# Altium PCB Main.PcbDoc (part 1 of 3) (continued)
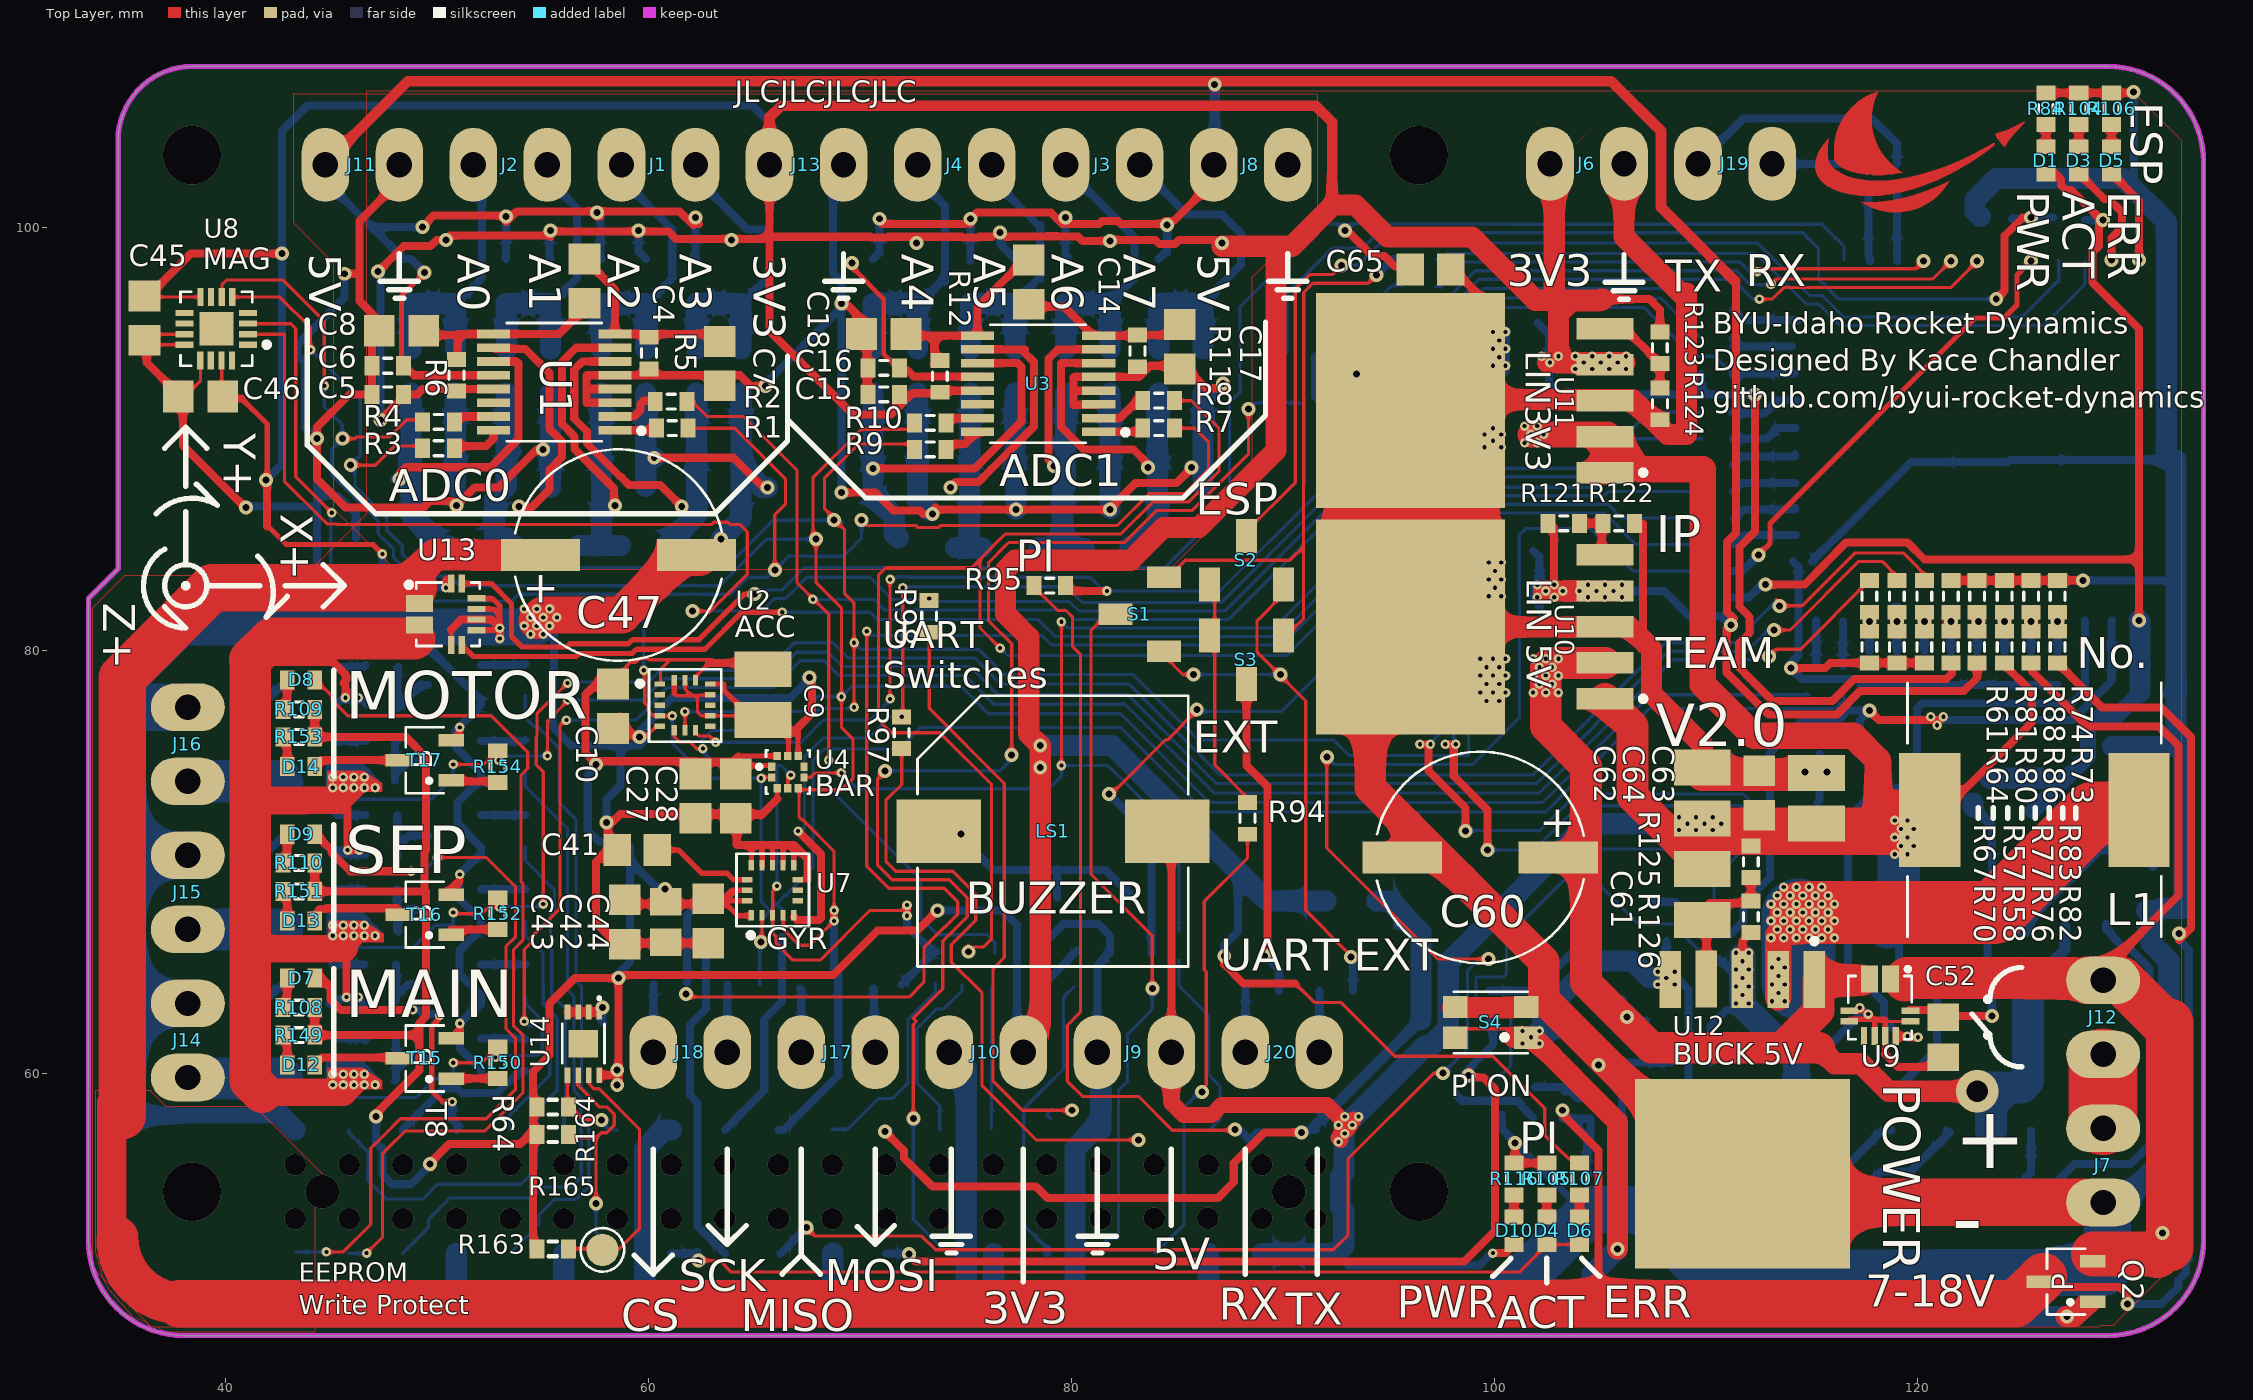
[diagram p0: Top Layer view]
## Components (designator, comment, footprint, x,y, rotation, side; value= is the part's Value field where it differs from the comment) (continued)
J18 "Screw Terminal" "SCREW TERMINAL" 60.2,61 r270 top locked (schematic designator J5)
J19 "Screw Terminal" "SCREW TERMINAL" 113.1,103 r90 top locked (schematic designator J6)
J20 "Screw Terminal" "SCREW TERMINAL" 88.2,61 r270 top locked (schematic designator J6)
JP1 "Res3" "0603 TO 1210 SMD" 93.15,68.15 r180 bottom locked value=1K
L1 "7447709330" INDUCTOR 125.5,72.45 r180 top locked
LS1 "CT-1205C-SMT" CUI_CT-1205C-SMT 79.1,71.45 r180 top locked
Q1 "P-Channel" "P Channel MOSFET" 127.9,68.05 r90 bottom locked (schematic designator Q5)
Q2 "P-Channel" "P Channel MOSFET" 127,50.15 r180 top locked (schematic designator Q3)
Q3 "N-Channel" "N Channel MOSFET" 109.25,59.25 r270 bottom locked (schematic designator Q4)
Q4 "P-Channel" "P Channel MOSFET" 44,60.7 r180 bottom locked (schematic designator Q1)
Q5 "P-Channel" "P Channel MOSFET" 44,64.2 r180 bottom locked (schematic designator Q2)
Q6 "P-Channel" "P Channel MOSFET" 44,67.75 r180 bottom locked (schematic designator Q1)
Q7 "P-Channel" "P Channel MOSFET" 44,71.25 r180 bottom locked (schematic designator Q2)
Q8 "P-Channel" "P Channel MOSFET" 43.995,74.75 r180 bottom locked (schematic designator Q1)
Q9 "P-Channel" "P Channel MOSFET" 44,78.35 r180 bottom locked (schematic designator Q2)
R1 "Res3" ? 61.1,90.5 r180 top locked value=1K
R2 "Res3" ? 61.05,91.75 r180 top locked value=1K
R3 "Res3" ? 50.05,89.55 r0 top locked value=1K
R4 "Res3" ? 50.05,90.8 r0 top locked value=1K
R5 "Res3" ? 60,94.05 r270 top locked value=1K
R6 "Res3" ? 50.9,93 r270 top locked value=1K
R7 "Res3" ? 84.1,90.5 r180 top value=1K (schematic designator R1)
R8 "Res3" ? 84.1,91.8 r180 top value=1K (schematic designator R2)
R9 "Res3" ? 73.3,89.5 r0 top value=1K (schematic designator R3)
R10 "Res3" ? 73.3,90.75 r0 top value=1K (schematic designator R4)
R11 "Res3" ? 83.1,94.15 r270 top value=1K (schematic designator R5)
R12 "Res3" ? 73.75,92.95 r270 top value=1K (schematic designator R6)
R13 "Res3" "0603 TO 0805 SMD" 70.6,97.45 r270 bottom locked value="Value depends on use case" (schematic designator R51)
R14 "Res3" "0603 TO 0805 SMD" 72.7,97.45 r270 bottom locked value="Value depends on use case" (schematic designator R52)
R15 "Res3" "0603 TO 0805 SMD" 70.6,93.2 r90 bottom locked value="Value depends on use case" (schematic designator R53)
R16 "Res3" "0603 TO 0805 SMD" 71.65,87.7 r0 bottom locked value="Value depends on use case" (schematic designator R54)
R17 "Res3" "0603 TO 0805 SMD" 72.7,93.2 r270 bottom locked value="Value depends on use case" (schematic designator R55)
R18 "Res3" "0603 TO 0805 SMD" 48.75,97.45 r270 bottom locked value="Value depends on use case" (schematic designator R51)
R19 "Res3" "0603 TO 0805 SMD" 50.85,97.45 r270 bottom locked value="Value depends on use case" (schematic designator R52)
R20 "Res3" "0603 TO 0805 SMD" 48.75,93.2 r90 bottom locked value="Value depends on use case" (schematic designator R53)
R21 "Res3" "0603 TO 0805 SMD" 49.8,87.75 r0 bottom locked value="Value depends on use case" (schematic designator R54)
R22 "Res3" "0603 TO 0805 SMD" 50.85,93.2 r270 bottom locked value="Value depends on use case" (schematic designator R55)
R23 "Res3" "0603 TO 0805 SMD" 75.2,97.45 r270 bottom locked value="Value depends on use case" (schematic designator R51)
R24 "Res3" "0603 TO 0805 SMD" 77.3,97.45 r270 bottom locked value="Value depends on use case" (schematic designator R52)
R25 "Res3" "0603 TO 0805 SMD" 75.2,93.2 r90 bottom locked value="Value depends on use case" (schematic designator R53)
R26 "Res3" "0603 TO 0805 SMD" 76.25,87.8 r0 bottom locked value="Value depends on use case" (schematic designator R54)
R27 "Res3" "0603 TO 0805 SMD" 77.3,93.2 r270 bottom locked value="Value depends on use case" (schematic designator R55)
R28 "Res3" "0603 TO 0805 SMD" 53.25,97.45 r270 bottom locked value="Value depends on use case" (schematic designator R51)
R29 "Res3" "0603 TO 0805 SMD" 55.35,97.45 r270 bottom locked value="Value depends on use case" (schematic designator R52)
R30 "Res3" "0603 TO 0805 SMD" 53.25,93.2 r90 bottom locked value="Value depends on use case" (schematic designator R53)
R31 "Res3" "0603 TO 0805 SMD" 54.3,87.75 r0 bottom locked value="Value depends on use case" (schematic designator R54)
R32 "Res3" "0603 TO 0805 SMD" 55.35,93.2 r270 bottom locked value="Value depends on use case" (schematic designator R55)
R33 "Res3" "0603 TO 0805 SMD" 79.7,97.45 r270 bottom locked value="Value depends on use case" (schematic designator R51)
R34 "Res3" "0603 TO 0805 SMD" 81.8,97.45 r270 bottom locked value="Value depends on use case" (schematic designator R52)
R35 "Res3" "0603 TO 0805 SMD" 79.7,93.2 r90 bottom locked value="Value depends on use case" (schematic designator R53)
R36 "Res3" "0603 TO 0805 SMD" 80.75,87.8 r0 bottom locked value="Value depends on use case" (schematic designator R54)
R37 "Res3" "0603 TO 0805 SMD" 81.8,93.2 r270 bottom locked value="Value depends on use case" (schematic designator R55)
R38 "Res3" "0603 TO 0805 SMD" 57.75,97.45 r270 bottom locked value="Value depends on use case" (schematic designator R51)
R39 "Res3" "0603 TO 0805 SMD" 59.85,97.45 r270 bottom locked value="Value depends on use case" (schematic designator R52)
R40 "Res3" "0603 TO 0805 SMD" 57.75,93.2 r90 bottom locked value="Value depends on use case" (schematic designator R53)
R41 "Res3" "0603 TO 0805 SMD" 58.8,87.75 r0 bottom locked value="Value depends on use case" (schematic designator R54)
R42 "Res3" "0603 TO 0805 SMD" 59.85,93.2 r270 bottom locked value="Value depends on use case" (schematic designator R55)
R43 "Res3" "0603 TO 0805 SMD" 84.1,97.45 r270 bottom locked value="Value depends on use case" (schematic designator R51)
R44 "Res3" "0603 TO 0805 SMD" 86.2,97.45 r270 bottom locked value="Value depends on use case" (schematic designator R52)
R45 "Res3" "0603 TO 0805 SMD" 84.1,93.2 r90 bottom locked value="Value depends on use case" (schematic designator R53)
R46 "Res3" "0603 TO 0805 SMD" 85.15,87.8 r0 bottom locked value="Value depends on use case" (schematic designator R54)
R47 "Res3" "0603 TO 0805 SMD" 86.2,93.2 r270 bottom locked value="Value depends on use case" (schematic designator R55)
R48 "Res3" "0603 TO 0805 SMD" 62.25,97.45 r270 bottom locked value="Value depends on use case" (schematic designator R51)
R49 "Res3" "0603 TO 0805 SMD" 64.35,97.45 r270 bottom locked value="Value depends on use case" (schematic designator R52)
R50 "Res3" "0603 TO 0805 SMD" 62.25,93.2 r90 bottom locked value="Value depends on use case" (schematic designator R53)
R51 "Res3" "0603 TO 0805 SMD" 63.3,87.75 r0 bottom locked value="Value depends on use case" (schematic designator R54)
R52 "Res3" "0603 TO 0805 SMD" 64.35,93.2 r270 bottom locked value="Value depends on use case" (schematic designator R55)
R53 "Res3" ? 79.35,64 r180 bottom locked value=1K (schematic designator R15)
R54 "Res3" ? 110.5,88.75 r180 bottom locked value=1K (schematic designator R16)
R55 "Res3" ? 127.05,100.45 r180 bottom locked value=1K (schematic designator R17)
R56 "Res3" ? 91.45,91.7 r180 bottom locked value=1K (schematic designator R18)
R57 "Res3" ? 120.3,82.55 r90 top locked value=1K (schematic designator R19)
R58 "Res3" ? 120.3,80.15 r90 top locked value=1K (schematic designator R20)
R59 "Res3" ? 110.5,96.2 r0 bottom locked value=1K (schematic designator R21)
R60 "Res3" ? 96.4,97.25 r0 bottom locked value=1K (schematic designator R22)
R61 "Res3" ? 119,82.55 r90 top locked value=1K (schematic designator R23)
R62 "Res3" ? 115.2,78.65 r90 bottom locked value=1K (schematic designator R24)
R63 "Res3" ? 110.5,85 r0 bottom locked value=1K (schematic designator R25)
R64 "Res3" ? 119,80.15 r90 top locked value=1K (schematic designator R26)
R65 "Res3" ? 116.45,78.65 r90 bottom locked value=1K (schematic designator R27)
R66 "Res3" ? 110.5,94.75 r0 bottom locked value=1K (schematic designator R28)
R67 "Res3" ? 117.7,82.55 r90 top locked value=1K (schematic designator R29)
R68 "Res3" ? 129.9,79.55 r180 bottom locked value=1K (schematic designator R30)
R69 "Res3" ? 96.4,96 r0 bottom locked value=1K (schematic designator R31)
R70 "Res3" ? 117.7,80.15 r90 top locked value=1K (schematic designator R32)
R71 "Res3" ? 96.4,94.75 r0 bottom locked value=1K (schematic designator R33)
R72 "Res3" ? 99.9,63.15 r90 bottom locked value=1K (schematic designator R34)
R73 "Res3" ? 126.6,80.15 r270 top locked value=1K (schematic designator R35)
R74 "Res3" ? 126.6,82.55 r270 top locked value=1K (schematic designator R36)
R75 "Res3" ? 96.4,98.5 r180 bottom locked value=1K (schematic designator R37)
R76 "Res3" ? 122.8,80.15 r270 top locked value=1K (schematic designator R38)
R77 "Res3" ? 122.8,82.55 r270 top locked value=1K (schematic designator R39)
R78 "Res3" ? 110.5,90 r180 bottom locked value=1K (schematic designator R40)
R79 "Res3" ? 110.5,91.25 r180 bottom locked value=1K (schematic designator R41)
R80 "Res3" ? 121.55,80.15 r270 top locked value=1K (schematic designator R42)
R81 "Res3" ? 121.55,82.55 r270 top locked value=1K (schematic designator R43)
R82 "Res3" ? 125.35,80.15 r270 top locked value=1K (schematic designator R44)
R83 "Res3" ? 125.35,82.55 r270 top locked value=1K (schematic designator R45)
R84 "Res3" ? 126.05,105.6 r270 top locked value=1K (schematic designator R46)
R85 "Res3" J1-0603 110.5,82.5 r180 bottom locked value=1K (schematic designator R47)
R86 "Res3" ? 124.1,80.15 r270 top locked value=1K (schematic designator R48)
R87 "Res3" ? 110.5,83.75 r180 bottom locked value=1K (schematic designator R49)
R88 "Res3" ? 124.1,82.55 r270 top locked value=1K (schematic designator R50)
R89 "Res3" "0603 to 0805 SMD" 125.4,54.25 r270 bottom locked value=1K (schematic designator R74)
R90 "Res3" "0603 TO 0805 SMD" 125.35,58.35 r270 bottom locked value=1K (schematic designator R75)
R91 "Res3" "0603 TO 0805 SMD" 122.4,57.3 r0 bottom locked value=1K (schematic designator R76)
R92 "Res3" "0603 TO 0805 SMD" 118.7,54.3 r270 bottom locked value=1K (schematic designator R77)
R93 "Res3" "0603 TO 0805 SMD" 118.75,58.35 r270 bottom locked value=1K (schematic designator R78)
R94 "Res3" ? 88.3,72.05 r270 top locked value=1K (schematic designator R87)
R95 "Res3" ? 78.95,83.05 r0 top locked value=1K (schematic designator R88)
R96 "Res3" ? 85.05,66 r90 bottom locked value=1K (schematic designator R89)
R97 "Res3" ? 71.95,76.1 r90 top locked value=1K (schematic designator R90)
R98 "Res3" ? 73.25,81.6 r90 top locked value=1K (schematic designator R91)
R99 "Res3" ? 76.3,65 r90 bottom locked value=1K (schematic designator R92)
R100 "Res3" ? 74.85,65 r90 bottom locked value=1K (schematic designator R93)
R101 "Res3" ? 73.6,65 r90 bottom locked value=1K (schematic designator R94)
R102 "Res3" ? 66.3,67.25 r90 bottom locked value=1K (schematic designator R95)
R103 "Res3" ? 62.7,67.2 r270 bottom locked value=1K (schematic designator R96)
R104 "Res3" ? 127.6,105.6 r270 top locked value=1K (schematic designator R7)
R105 "Res3" ? 102.45,55 r270 top locked value=1K (schematic designator R7)
R106 "Res3" ? 129.15,105.6 r270 top locked value=1K (schematic designator R7)
R107 "Res3" ? 104,55 r90 top locked value=1K (schematic designator R80)
R108 "Res3" ? 43.45,63.1 r0 top value=1K (schematic designator R80)
R109 "Res3" ? 43.45,77.2 r0 top locked value=1K (schematic designator R80)
R110 "Res3" ? 43.45,69.95 r0 top locked value=1K (schematic designator R80)
R111 "Res3" "0603 FOOTPRINT" 130.05,51.25 r0 bottom locked value=1K (schematic designator R58)
R112 "Res3" "0603 FOOTPRINT" 105.2,55.35 r0 bottom locked value=1K (schematic designator R59)
R113 "Res3" "0603 FOOTPRINT" 102.85,58.9 r270 bottom locked value=1K (schematic designator R60)
R114 "Res3" "0603 FOOTPRINT" 105.2,64 r0 bottom locked value=1K (schematic designator R61)
R115 "Res3" "0603 FOOTPRINT" 105.75,49.65 r0 bottom locked value=10 (schematic designator R62)
R116 "Res3" "0603 FOOTPRINT" 100.9,55 r270 top locked value=1K (schematic designator R63)
R117 "Res3" "0603 FOOTPRINT" 110.5,87.5 r0 bottom locked value=1K (schematic designator R64)
R118 "Res3" "0603 FOOTPRINT" 105.7,58.8 r0 bottom locked value=1K (schematic designator R65)
R119 "Res3" "0603 FOOTPRINT" 101.55,58.95 r90 bottom locked value=1K (schematic designator R66)
R120 "Res3" "0603 FOOTPRINT" 110.5,86.25 r180 bottom locked value=1K (schematic designator R67)
R121 "Res3" ? 103.25,86 r180 top locked value=1K (schematic designator R81)
R122 "Res3" ? 105.85,86 r180 top locked value=1K (schematic designator R82)
R123 "Res3" ? 107.8,94.3 r90 top locked value=1K (schematic designator R83)
R124 "Res3" ? 107.8,91.65 r90 top locked value=1K (schematic designator R84)
R125 "Res3" ? 112.1,70 r270 top locked value=1K (schematic designator R85)
R126 "Res3" ? 112.1,67.4 r270 top locked value=1K (schematic designator R86)
R127 "Res3" ? 110.5,93.05 r180 bottom locked value=1K (schematic designator R79)
R128 "Res3" ? 47.3,61.65 r180 bottom locked value=10 (schematic designator R8)
R129 "Res3" ? 40.75,61.55 r270 bottom locked value=1K (schematic designator R9)
R130 "Res3" ? 47.3,59.75 r0 bottom locked value=1K (schematic designator R10)
R131 "Res3" ? 54.15,60.85 r90 bottom locked value=1K (schematic designator R11)
R132 "Res3" ? 47.3,65.15 r180 bottom locked value=1K (schematic designator R12)
R133 "Res3" ? 47.3,63.25 r0 bottom locked value=1K (schematic designator R13)
R134 "Res3" ? 54.15,64.4 r90 bottom locked value=1K (schematic designator R14)
R135 "Res3" ? 47.35,68.7 r180 bottom locked value=10 (schematic designator R8)
R136 "Res3" ? 40.75,68.6 r270 bottom locked value=1K (schematic designator R9)
R137 "Res3" ? 47.3,66.75 r0 bottom locked value=1K (schematic designator R10)
R138 "Res3" ? 54.15,67.95 r90 bottom locked value=1K (schematic designator R11)
R139 "Res3" ? 47.35,72.2 r180 bottom locked value=1K (schematic designator R12)
R140 "Res3" ? 47.35,70.35 r0 bottom locked value=1K (schematic designator R13)
R141 "Res3" ? 54.15,71.45 r90 bottom locked value=1K (schematic designator R14)
R142 "Res3" ? 47.35,75.7 r180 bottom locked value=10 (schematic designator R8)
R143 "Res3" ? 40.75,75.7 r270 bottom locked value=1K (schematic designator R9)
R144 "Res3" ? 47.35,73.8 r0 bottom locked value=1K (schematic designator R10)
R145 "Res3" ? 54.15,75 r90 bottom locked value=1K (schematic designator R11)
R146 "Res3" ? 47.35,79.3 r180 bottom locked value=1K (schematic designator R12)
R147 "Res3" ? 47.35,77.4 r0 bottom locked value=1K (schematic designator R13)
R148 "Res3" ? 54.15,78.6 r90 bottom locked value=1K (schematic designator R14)
R149 "Res3" ? 43.45,61.8 r0 top locked value=1K (schematic designator R56)
R150 "Res3" ? 52.85,60.5 r270 top locked value=1K (schematic designator R57)
R151 "Res3" ? 43.45,68.6 r0 top locked value=1K (schematic designator R56)
R152 "Res3" ? 52.85,67.55 r270 top locked value=1K (schematic designator R57)
R153 "Res3" ? 43.45,75.9 r0 top locked value=1K (schematic designator R56)
R154 "Res3" ? 52.85,74.5 r270 top locked value=1K (schematic designator R57)
R155 "Res3" "0603 FOOTPRINT" 71.2,64.2 r180 bottom locked value=1K (schematic designator R68)
R156 "Res3" "0603 FOOTPRINT" 68,64.2 r180 bottom locked value=1K (schematic designator R69)
R157 "Res3" "0603 FOOTPRINT" 64.5,64.2 r180 bottom locked value=1K (schematic designator R70)
R158 "Res3" "0603 FOOTPRINT" 61,64.2 r180 bottom locked value=1K (schematic designator R71)
R159 "Res3" "0603 FOOTPRINT" 119,102.2 r90 bottom locked value=0-40 (schematic designator R72)
R160 "Res3" "0603 FOOTPRINT" 117.65,102.2 r90 bottom locked value=0-40 (schematic designator R73)
R161 "Res3" "0603 FOOTPRINT" 92.49,63.9 r180 bottom locked value=0-40 (schematic designator R72)
R162 "Res3" "0603 FOOTPRINT" 88.99,63.9 r180 bottom locked value=0-40 (schematic designator R73)
R163 "Res3" "0603 Footprint" 55.45,51.7 r180 top locked value=1K (schematic designator R97)
R164 "Res3" "0603 Footprint" 55.45,58.4 r180 top locked value=3.9K (schematic designator R98)
R165 "Res3" "0603 Footprint" 55.45,57.1 r180 top locked value=3.9K (schematic designator R99)
S1 "Slide Switch" "CJS Micro switch" 82.55,79.95 r90 top locked
S2 "Slide Switch" "CJS Micro switch" 86.5,84.9 r0 top locked
S3 "Slide Switch" "CJS Micro switch" 90,78.9 r180 top locked
S4 "434153017835" *434153017835 99.8,62.4 r180 top locked
T1 "MMBT2222ALT1" BJT 79.3,67.05 r90 bottom locked (schematic designator T3)
T2 "MMBT2222ALT1" BJT 82.75,67.055 r90 bottom locked (schematic designator T4)
T3 "MMBT2222ALT1" BJT 91.35,94.05 r180 bottom locked (schematic designator T5)
T4 "MMBT2222ALT1" BJT 105.9,68.25 r0 bottom locked (schematic designator T6)
T5 "MMBT2222ALT1" BJT 122.4,54.2 r0 bottom locked (schematic designator T10)
T6 "MMBT2222ALT1" BJT 115.655,54.05 r0 bottom locked (schematic designator T11)
T7 "MMBT2222ALT1" BJT 109.1,66.3 r180 bottom locked (schematic designator T8)
T8 "MMBT2222ALT1" BJT 98.85,58.95 r180 bottom locked (schematic designator T9)
T9 "MMBT2222ALT1" BJT 50.805,60.7 r180 bottom locked (schematic designator T1)
T10 "MMBT2222ALT1" BJT 50.805,64.2 r180 bottom locked (schematic designator T2)
T11 "MMBT2222ALT1" BJT 50.795,67.75 r180 bottom locked (schematic designator T1)
T12 "MMBT2222ALT1" BJT 50.795,71.25 r180 bottom locked (schematic designator T2)
T13 "MMBT2222ALT1" BJT 50.75,74.8 r180 bottom locked (schematic designator T1)
T14 "MMBT2222ALT1" BJT 50.795,78.35 r180 bottom locked (schematic designator T2)
T15 "MMBT2222ALT1" BJT 49.405,60.7 r180 top locked (schematic designator T7)
T16 "MMBT2222ALT1" BJT 49.4,67.5 r180 top locked (schematic designator T7)
T17 "MMBT2222ALT1" BJT 49.405,74.8 r180 top locked (schematic designator T7)
U1 "Analog to Digital Converter" SOP65P640X120-16N 55.52,92.675 r180 top locked (schematic designator U2)
U2 "LIS3DSHTR" L3GD20HTR 61.7,77.4 r0 top locked (schematic designator U1)
U3 "Analog to Digital Converter" SOP65P640X120-16N 78.4,92.6 r180 top locked (schematic designator U2)
U4 "BMP388" PQFN50P200X200X80-10N 66.565,74.24 r0 top locked (schematic designator U3)
U5 "3.3V Regulator" *DPAK229P990X238-4N 125.9,73.2 r270 bottom locked (schematic designator U6)
U6 "ESP32-WROOM-32D" *MODULE_ESP32-WROOM-32D 126.44,89.9 r90 bottom locked (schematic designator U7)
U7 "L3GD20H" L3GD20HTR 65.84,68.65 r90 top locked (schematic designator U4)
U8 "MLX90393" QFN-16_WITH_AXIES 39.55,95.2 r270 top locked (schematic designator U5)
U9 "ACS70331EESATR-005B3" *XDCR_ACS70331EESATR-005B3 118.2,63.1 r270 top locked (schematic designator U8)
U10 "Linear Regulator" *TO170P1435X465-6N 96.152,81.1 r90 top locked
U11 "Linear Regulator" *TO170P1435X465-6N 96.152,91.8 r90 top locked
U12 "LM2596SX-ADJ/NOPB" *TO170P1435X465-6N 111.7,55.4 r180 top locked
U13 "ACS711KEXLT-15AB-T" *SENSOR_ACS711KEXLT-15AB-T 50.5,81.7 r0 top locked (schematic designator U9)
U14 "CAT24C128" EEPROM 56.9,61.4 r270 top locked (schematic designator U13)

## Footprints (in the part's own frame and the unit in brackets; to place one, negate y for a bottom-side part, rotate by r counter-clockwise, add the part's x,y. Pads: shape width x height; smd on the part's side, far side on the other; paste and mask are expansions set on the pad)
"0402 footprint" [mm]
  rect 0.7x0.9 smd: 1(-0.65,0) 2(0.65,0)
  body extent -0.8,-0.35 0.8,0.35, height 0.25
"0603 FOOTPRINT" [mm]
  rect 0.7x0.9 smd: 1(-0.75,0) 2(0.75,0)
  silkscreen extent -0.2,-0.35 0.2,0.35, body extent -0.85,-0.48 0.85,0.48, height 0.9
"0603 Footprint" [mm]
  rect 0.7x0.9 smd: 1(-0.75,0) 2(0.75,0)
  silkscreen extent -0.2,-0.35 0.2,0.35, body extent -0.85,-0.48 0.85,0.48, height 0.9
"0603 TO 0805 SMD" [mm]
  rect 1.45x1.5 smd: 1(-1.05,0) 2(1.05,0)
  body extent -1.18,-0.6 1.19,0.6, height 0.25
"0603 to 0805 SMD" [mm]
  rect 1.45x1.5 smd: 1(-1.05,0) 2(1.05,0)
  body extent -1.18,-0.6 1.19,0.6, height 0.25
"0603 to 1210 SMD" [mm]
  rect 1.7x2.692 smd: 1(-1.2,0) 2(1.2,0)
  body extent -1.7,-1.05 1.7,1.1, height 1.27
"0603 TO 1210 SMD" [mm] "Chip Resistor, Body 1.6x0.8mm, IPC High Density"
  rect 1.7x2.692 smd: 1(-1.2,0) 2(1.2,0)
  body extent -1.7,-1.05 1.7,1.1, height 1.27
"0805 Footprint" [mm]
  rect 1.3x1.5 smd: 1(-0.95,0) 2(0.95,0)
  body extent -1.15,-0.6 1.15,0.6, height 1.27
*434153017835 [mm] "Pushbutton NO"
  rect 1.15x1.05 smd: 1(-1.675,0.725) 2(-1.675,-0.725) 3(1.675,0.725) 4(1.675,-0.725)
  silkscreen extent -1.75,-1.45 1.75,1.45
*DO-214AC [mm]
  rect 1.7x3.2 smd: 1(4.4,0) 2(-2.025,0)
  silkscreen extent -0.87,-1.3 3.25,1.3, body extent -2.36,-3.1 4.8,3.13, height 2.62
*DPAK229P990X238-4N [mm]
  rect 0.97x2.83 smd: 1(-2.29,-4.14) 3(2.29,-4.14)
  rect 5.63x6.09 smd: 2(0,2.51)
  silkscreen extent -1.47,-4.28 -1.23,-4.03
*MODULE_ESP32-WROOM-32D [mm]
  rect 2x0.9 smd: 1(-8.5,5.26) 2(-8.5,3.99) 3(-8.5,2.72) 4(-8.5,1.45) 5(-8.5,0.18) 6(-8.5,-1.09) 7(-8.5,-2.36) 8(-8.5,-3.63) 9(-8.5,-4.9) 10(-8.5,-6.17) 11(-8.5,-7.44) 12(-8.5,-8.71) 13(-8.5,-9.98) 14(-8.5,-11.25) 25(8.5,-11.25) 26(8.5,-9.98) 27(8.5,-8.71) 28(8.5,-7.44) 29(8.5,-6.17) 30(8.5,-4.9) 31(8.5,-3.63) 32(8.5,-2.36) 33(8.5,-1.09) 34(8.5,0.18) 35(8.5,1.45) 36(8.5,2.72) 37(8.5,3.99) 38(8.5,5.26)
  rect 0.9x2 smd: 15(-5.715,-12.25) 16(-4.445,-12.25) 17(-3.175,-12.25) 18(-1.905,-12.25) 19(-0.635,-12.25) 20(0.635,-12.25) 21(1.905,-12.25) 22(3.175,-12.25) 23(4.445,-12.25) 24(5.715,-12.25)
  rect 5x5 smd: 39(-1,-2.24)
  silkscreen extent -9,-12.75 9,6.35, body extent -8.95,-12.7 8.95,12.7, height 3.1
*SENSOR_ACS711KEXLT-15AB-T [mm]
  rect 1.27x0.8 smd: 1(-1.35,0.5) 3(-1.35,-0.5)
  rect 0.3x0.85 smd: 5(0.15,-1.45) 6(0.65,-1.45) 11(0.65,1.45) 12(0.15,1.45)
  rect 0.85x0.3 smd: 7(1.35,-0.75) 8(1.35,-0.25) 9(1.35,0.25) 10(1.35,0.75)
  silkscreen extent -1.95,-1.5 1.5,1.5, body extent -1.4,-1.4 1.4,1.4, height 1
*TO170P1435X465-6N [mil]
  rect 40x106 smd: 1(-134,-356) 2(-67,-356) 3(0,-356) 4(66.93,-356.3) 5(134,-356)
  rect 400x352 smd: 6(0,6)
  silkscreen extent -139,-432 -129,-422, body extent -319,-396 201,197, height 180
*XDCR_ACS70331EESATR-005B3 [mm]
  rect 1.27x0.8 smd: 1(-1.35,0.5) 3(-1.35,-0.5)
  rect 0.3x0.85 smd: 5(0.15,-1.45) 6(0.65,-1.45) 11(0.65,1.45) 12(0.15,1.45)
  rect 0.85x0.3 smd: 7(1.35,-0.75) 8(1.35,-0.25) 9(1.35,0.25) 10(1.35,0.75)
  silkscreen extent -1.92,-1.5 1.5,1.5, body extent -1.4,-1.4 1.4,1.4, height 1.27
BJT [mm]
  rect 1.21x0.59 smd: 1(-1.255,0.95) 2(-1.255,-0.95) 3(1.255,0)
  silkscreen extent -0.9,-1.56 0.9,1.56, body extent -0.9,-1.6 0.9,1.55, height 1
"CJS Micro switch" [mm] "DIP- style shrouded switch"
  rect 1x1.6 smd: 1(0,-1.8) 2(3.5,-1.8) 3(1.75,0.5)
  body extent -1.05,-1.94 5.85,0.64, height 2.5
CUI_CT-1205C-SMT [mm]
  rect 4x3 smd: 1(5.4,0) 2(-5.4,0)
  silkscreen extent -6.4,-6.4 6.4,6.4, body extent -6.45,-6.4 6.4,6.4, height 10
EEPROM [mm]
  rect 0.71x0.27 smd mask+0.12: 1(-1.495,0.75) 2(-1.495,0.25) 3(-1.495,-0.25) 4(-1.495,-0.75) 5(1.495,-0.75) 6(1.495,-0.25) 7(1.495,0.25) 8(1.495,0.75)
  rect 1.3x1.4 smd: 9(0,0)
  silkscreen extent -2.22,-1 0.92,1, body extent -1.51,-1 1.51,1.28, height 1.27
"ELECTROLYTIC CAP" [mm] "EEU-FC1H681"
  rect 3.75x1.5 smd: 1(-3.688,0) 2(3.688,0)
  silkscreen extent -4.88,-5 4.89,5, body extent -5,-5 5,5, height 10.5
INDUCTOR [mm]
  rect 2.9x5.4 smd: 1(-4.95,0) 2(4.95,0)
  silkscreen extent -6,-6 6,6, body extent -6,-6 6,6, height 10
J1-0603 [mm] "Chip Resistor, Body 1.6x0.8mm, IPC High Density"
  rect 0.7x0.9 smd: 1(-0.75,0) 2(0.75,0)
  silkscreen extent -0.2,-0.35 0.2,0.35, body extent -0.85,-0.48 0.85,0.48, height 0.9
L3GD20HTR [mm]
  rect 0.5x0.25 smd mask+0.125: 1(-1.19,1) 2(-1.19,0.5) 3(-1.19,0) 4(-1.19,-0.5) 5(-1.19,-1) 9(1.19,-1) 10(1.19,-0.5) 11(1.19,0) 12(1.19,0.5) 13(1.19,1)
  rect 0.25x0.5 smd mask+0.125: 6(-0.5,-1.19) 7(0,-1.19) 8(0.5,-1.19) 14(0.5,1.19) 15(0,1.19) 16(-0.5,1.19)
  silkscreen extent -2.25,-1.73 1.73,1.7, body extent -1.4,-1.4 1.4,1.4, height 1.27
"N Channel MOSFET" [mm]
  rect 1.21x0.59 smd: 1(-1.255,0.95) 2(-1.255,-0.95) 3(1.255,0)
  silkscreen extent -0.9,-1.56 0.9,1.56, body extent -0.9,-1.6 0.9,1.55, height 1
"P Channel MOSFET" [mm]
  rect 1.21x0.59 smd: 1(-1.255,0.95) 2(-1.255,-0.95) 3(1.255,0)
  silkscreen extent -0.9,-1.56 0.9,1.56, body extent -0.9,-1.6 0.9,1.55, height 1
PQFN50P200X200X80-10N [mm]
  rect 0.35x0.38 smd: 1(-0.765,0.25) 2(-0.765,-0.25) 3(-0.5,-0.765) 4(0,-0.765) 5(0.5,-0.765) 6(0.765,-0.25) 7(0.765,0.25) 8(0.5,0.765) 9(0,0.765) 10(-0.5,0.765)
  silkscreen extent -1.45,-1.03 1.03,1.03, body extent -0.95,-0.95 0.95,0.95, height 1.27
QFN-16_WITH_AXIES [mm]
  rect 0.3x0.85 smd: 1(0.754,1.498) 2(0.254,1.498) 3(-0.246,1.498) 4(-0.746,1.498) 9(-0.746,-1.506) 10(-0.246,-1.506) 11(0.254,-1.506) 12(0.754,-1.506)
  rect 0.85x0.3 smd: 5(-1.508,0.746) 6(-1.508,0.246) 7(-1.508,-0.254) 8(-1.508,-0.754) 13(1.496,-0.764) 14(1.496,-0.264) 15(1.496,0.236) 16(1.496,0.736)
  rect 1.6x1.6 smd mask+0.2: 17(0,0)
  silkscreen extent -1.75,-1.7 1.75,2.5, body extent -1.5,-1.5 1.5,1.5, height 1.27
"RPI THROUGH BOARD CONNECTOR" [mm]
  rect 1.02x1.78 smd: 1(53.13,-2.921) 2(53.13,2.921) 3(50.59,-2.921) 4(50.59,2.921) 5(48.05,-2.921) 6(48.05,2.921) 7(45.51,-2.921) 8(45.51,2.921) 9(42.97,-2.921) 10(42.97,2.921) 11(40.43,-2.921) 12(40.43,2.921) 13(37.89,-2.921) 14(37.89,2.921) 15(35.35,-2.921) 16(35.35,2.921) 17(32.81,-2.921) 18(32.81,2.921) 19(30.27,-2.921) 20(30.27,2.921) 21(27.73,-2.921) 22(27.73,2.921) 23(25.19,-2.921) 24(25.19,2.921) 25(22.65,-2.921) 26(22.65,2.921) 27(20.11,-2.921) 28(20.11,2.921) 29(17.57,-2.921) 30(17.57,2.921) 31(15.03,-2.921) 32(15.03,2.921) 33(12.49,-2.921) 34(12.49,2.921) 35(9.95,-2.921) 36(9.95,2.921) 37(7.41,-2.921) 38(7.41,2.921) 39(4.87,-2.921) 40(4.87,2.921)
  body extent 4,-2 54,2, height 3.55
"SCREW TERMINAL" [mm] "Non-Polarized"
  oval 3.5x2.25 hole 1.2: 1(0,3.5) 2(0,0)
  body extent -3.7,-1.75 4.62,5.25, height 7.02
SOP65P640X120-16N [mm]
  rect 1.57x0.41 smd mask+0.12: 1(-2.87,2.275) 2(-2.87,1.625) 3(-2.87,0.975) 4(-2.87,0.325) 5(-2.87,-0.325) 6(-2.87,-0.975) 7(-2.87,-1.625) 8(-2.87,-2.275) 9(2.87,-2.275) 10(2.87,-1.625) 11(2.87,-0.975) 12(2.87,-0.325) 13(2.87,0.325) 14(2.87,0.975) 15(2.87,1.625) 16(2.87,2.275)
  silkscreen extent -4.25,-2.79 2.25,2.79, body extent -2.2,-2.55 2.25,2.55, height 1.27
? [mm] "Chip Resistor, Body 1.6x0.8mm, IPC High Density"
  rect 0.7x0.9 smd: 1(-0.75,0) 2(0.75,0)
  silkscreen extent -0.2,-0.35 0.2,0.35, body extent -0.85,-0.48 0.85,0.48, height 0.9

## Part data
C1 C2 C3 C11 C12 C13 C19 C20 C21 C22 C23 C24 C25 C26 C30 C31 C32 C33 C34 C36 C37 C38 C39 C40 C47 C48 C49 C50 C51 C52 C53 C54 C55 C56 C57 C58 C59 C60 C61 C62 C63 C64 C65 C66: "Capacitor", LatestRevisionDate=17-Jul-2002, LatestRevisionNote="Re-released for DXP Platform.", PackageDescription="Radial Cap, Thru-Hole; 2 Leads; 0.3 in Pin Spacing", PackageReference=RAD-0.3, Published=8-Jun-2000, Publisher="Altium Limited"
C42 C43: "Near VDD"
C44: "Near VDD_IO"
D1 D3 D4 D5 D6 D7 D8 D9 D10: Supplier Part Number 1=754-2123-1-ND, Supplier 1=Digi-Key
D2 D11: Supplier Part Number 1=VSSC8L45-M3/9ATGICT-ND, Supplier 1=Digi-Key
D12 D13 D14: Supplier Part Number 1=754-2122-1-ND, Supplier 1=Digi-Key
J1 J2 J3 J4 J6 J7 J8 J9 J10 J11 J12 J13 J14 J15 J16 J17 J18 J19 J20: Supplier Part Number 1=A112762-ND, Supplier 1=Digi-Key
J5: Supplier Part Number 1=952-3218-ND, Supplier 1=Digi-Key
JP1 R1 R2 R3 R4 R5 R6 R7 R8 R9 R10 R11 R12 R13 R14 R15 R16 R17 R18 R19 R20 R21 R22 R23 R24 R25 R26 R27 R28 R29 R30 R31 R32 R33 R34 R35 R36 R37 R38 R39 R40 R41 R42 R43 R44 R45 R46 R47 R48 R49 R50 R51 R52 R53 R54 R55 R56 R57 R58 R59 R60 R61 R62 R63 R64 R65 R66 R67 R68 R69 R70 R71 R72 R73 R74 R75 R76 R77 R78 R79 R80 R81 R82 R83 R84 R85 R86 R87 R88 R89 R90 R91 R92 R93 R94 R95 R96 R97 R98 R99 R100 R101 R102 R103 R104 R105 R106 R107 R108 R109 R110 R111 R112 R113 R114 R115 R116 R117 R118 R119 R120 R121 R122 R123 R124 R125 R126 R127 R128 R129 R130 R131 R132 R133 R134 R135 R136 R137 R138 R139 R140 R141 R142 R143 R144 R145 R146 R147 R148 R149 R150 R151 R152 R153 R154 R155 R156 R157 R158 R159 R160 R161 R162 R163 R164 R165: "Resistor", LatestRevisionDate=29-May-2009, LatestRevisionNote="IPC-7351 Footprint Added.", PackageDescription="Chip Resistor", PackageReference=J1-0603, Published=8-Jun-2000, Publisher="Altium Limited"
L1: library part "Buck Inductor", "Inductor, SMD [Würth Elektronik] 7447709330 Inductor, SMD", Package="1210 Würth Elektronik", Supplier Part Number 1=732-1244-6-ND, Availability=Unavailable, MF="Wurth Electronics", MP=7447709330, Price=None, SnapEDA_Link=https://www.snapeda.com/parts/7447709330/Wurth%20Electronics%20Inc./view-part/?ref=snap, Supplier 1=Digi-Key
LS1: library part Buzzer, Package=CUI, Supplier Part Number 1=102-1200-1-ND, Availability=Unavailable, MF="CUI Inc.", MP=CT-1205C-SMT-TR, Price=None, SnapEDA_Link=https://www.snapeda.com/parts/CT-1205C-SMT-TR/CUI%20Inc./view-part/?ref=snap, Supplier 1=Digi-Key
Q1 Q2 Q4 Q5 Q6 Q7 Q8 Q9: Supplier Part Number 1=SI2343CDS-T1-GE3CT-ND, Supplier 1=Digi-Key
Q3: Supplier Part Number 1=SI2338DS-T1-GE3CT-ND, Supplier 1=Digi-Key
S1 S2 S3: library part "Screw Switch", Supplier Part Number 1=7813J-051ECT-ND, Supplier 1=Digi-Key
S4: library part "Pushbutton NO", "Switch Tactile Spst-No 0.05a 12v", Package=None, Supplier Part Number 1=732-10143-1-ND, Availability=Unavailable, MF="Wurth Electronics", MP=434153017835, Price=None, SnapEDA_Link=https://www.snapeda.com/parts/434153017835/Wurth%20Electronics%20Inc./view-part/?ref=snap, Supplier 1=Digi-Key
T1 T2 T3 T4 T5 T6 T7 T8 T9 T10 T11 T12 T13 T14 T15 T16 T17: library part "BJT NPN", "Trans NPN 40V 0.6A SOT23", Package="SOT-23 Motorola", Supplier Part Number 1=MMBT2222ATPMSCT-ND, Availability=Unavailable, MF="ON Semiconductor", MP=MMBT2222ALT1, Price=None, SnapEDA_Link=https://www.snapeda.com/parts/MMBT2222ALT1/ON%20Semiconductor/view-part/?ref=snap, Supplier 1=Digi-Key
U1 U3: "SOP65P640X120-16N", Supplier Part Number 1=296-39851-1-ND, MP=ADS1220IPWR, Supplier 1=Digi-Key
U2: "Accelerometer   / MEMS digital output motion sensor: ultra low-power high performance 3-axes nano accelerometer", Package="LGA-16 STMicroelectronics", Supplier Part Number 1=497-13244-1-ND, Availability=Unavailable, MF=STMicroelectronics, MP=LIS3DSHTR, Price=None, SnapEDA_Link=https://www.snapeda.com/parts/LIS3DSHTR/STMicroelectronics/view-part/?ref=snap, Supplier 1=Digi-Key
U4: "P-Sensor SPI I2C 1, 25 Bar SMD", Package="WFLGA-10 Bosch Tools", Supplier Part Number 1=828-1079-1-ND, Availability=Unavailable, MF="Bosch Sensortec", MP=BMP388, Price=None, SnapEDA_Link=https://www.snapeda.com/parts/BMP388/Bosch%20Sensortec/view-part/?ref=snap, Supplier 1=Digi-Key
U5: library part 3-3VReg, "NCP1117DT33T5GOSCT-ND 3.3V linear regulator", Package="SOT-223 Exar", Supplier Part Number 1=NCP1117DT33T5GOSCT-ND, Availability=Unavailable, MF="MaxLinear, Inc.", MP=SPX1117M3-L-3-3/TR, Price=None, SnapEDA_Link=https://www.snapeda.com/parts/SPX1117M3-L-3-3/TR/MaxLinear%2C%20Inc./view-part/?ref=snap, Supplier 1=Digi-Key
U6: "IC: SoC; GPIO, I2C, I2S, IR, SD, SDIO, SPI, UART; 2.7÷3.6VDC; 20dBm", Package="Module Espressif Systems", Supplier Part Number 1=1904-1023-1-ND, Availability=Unavailable, MF="Espressif Systems", MP=ESP32-WROOM-32D, Price=None, SnapEDA_Link=https://www.snapeda.com/parts/ESP32-WROOM-32D/Espressif%20Systems/view-part/?ref=snap, Supplier 1=Digi-Key
U7: "Gyroscope L3GD20H Series 3.6 V 6.1 mA Three-Axis Digital Output Gyroscope - LGA-16", Package="LGA-16 STMicroelectronics", Supplier Part Number 1=497-13931-1-ND, Availability=Unavailable, MF=STMicroelectronics, MP=L3GD20HTR, Price=None, SnapEDA_Link=https://www.snapeda.com/parts/L3GD20HTR/STMicroelectronics/view-part/?ref=snap, Supplier 1=Digi-Key
U8: "Magnetometer (Compass)", Supplier Part Number 1=MLX90393ELW-ABA-011-RECT-ND, Supplier 1=Digi-Key
U9: library part "2.5A Current Sensor", "Current Sensor Current Sensor AC/DC Current 12-Pin QFN EP T/R", Package="WFQFN-12 Allegro MicroSystems LLC", Supplier Part Number 1=620-1890-1-ND, Availability=Unavailable, MF="Allegro MicroSystems LLC", MP=ACS70331EESATR-005B3, Price=None, SnapEDA_Link=https://www.snapeda.com/parts/ACS70331EESATR-005B3/Allegro%20MicroSystems%20LLC/view-part/?ref=snap, Supplier 1=Digi-Key
U10 U11: "MIC29302 Series 3 A 1.24 to 26 V ADJ Output Voltage LDO Regulator - TO-263-5", Package="TO-263-5 Microchip", Supplier Part Number 1=576-1125-1-ND, Availability=Unavailable, MF=Microchip, MP=MIC29302WU, Price=None, SnapEDA_Link=https://www.snapeda.com/parts/MIC29302WU/Microchip/view-part/?ref=snap, Supplier 1=Digi-Key
U12: library part "Switching Regulator ADJ", "SIMPLE SWITCHER® 4.5V to 40V, 3A Low Component Count Step-Down Regulator 5-DDPAK/TO-263 -40 to 125", Package="TO-263-6 Texas Instruments", Supplier Part Number 1=296-35399-1-ND, Availability=Unavailable, MF="Texas Instruments", MP=LM2596SX-ADJ/NOPB, Price=None, SnapEDA_Link=https://www.snapeda.com/parts/LM2596SX-ADJ/NOPB/Texas%20Instruments/view-part/?ref=snap, Supplier 1=Digi-Key
U13: library part "31A current sensor", "Hall Effect Linear Current Sensor with Overcurrent Fault Output for <100 V Isolation Applications", Package="PowerWFQFN-12 Allegro MicroSystems LLC", Supplier Part Number 1=620-1481-1-ND, Availability=Unavailable, MF="Allegro MicroSystems LLC", MP=ACS711KEXLT-15AB-T, Price=None, SnapEDA_Link=https://www.snapeda.com/parts/ACS711KEXLT-15AB-T/Allegro%20MicroSystems%20LLC/view-part/?ref=snap, Supplier 1=Digi-Key
U14: library part CAT24C128HU4IGT3, "EEPROM Serial-I2C 128K-bit 16K x 8 2.5V/3.3V/5V 8-Pin UDFN EP T/R", Package="UFDFN-8 ON Semiconductor", Supplier Part Number 1=CAT24C128HU4IGT3OSDKR-ND, Availability=Unavailable, MF="ON Semiconductor", MP=CAT24C128HU4IGT3, Price=None, SnapEDA_Link=https://www.snapeda.com/parts/CAT24C128HU4IGT3/ON%20Semiconductor/view-part/?ref=snap, Supplier 1=Digi-Key

## Free pads (board coordinates)
  round 1.524 smd paste-0.762: 3(57.8,51.65)

## Via types
v1: diameter 0.45, hole 0.2, Top Layer to Bottom Layer, 295 vias
v2: diameter 0.66, hole 0.33, Top Layer to Bottom Layer, 147 vias
v3: diameter 1.02, hole 1.02, Top Layer to Bottom Layer, 40 vias
v4: diameter 2.75, hole 2.75, Top Layer to Bottom Layer, 4 vias
v5: diameter 1.6, hole 1.6, Top Layer to Bottom Layer, 2 vias
v6: diameter 2, hole 1, Top Layer to Bottom Layer, 1 vias